# Altium PCB PASS Capstone.PcbDoc (part 6 of 6)
Units mil, origin at the board's own origin, x right, y up, seen from the top; angles counter-clockwise.
Board outline 9510 x 7745.39 mil, 2 copper layers (L1, L2), stack 62.756 mil thick; 838 components, 509 nets, 2130 pads, 378 vias.
Unrouted connection lines stored in the file: 795.
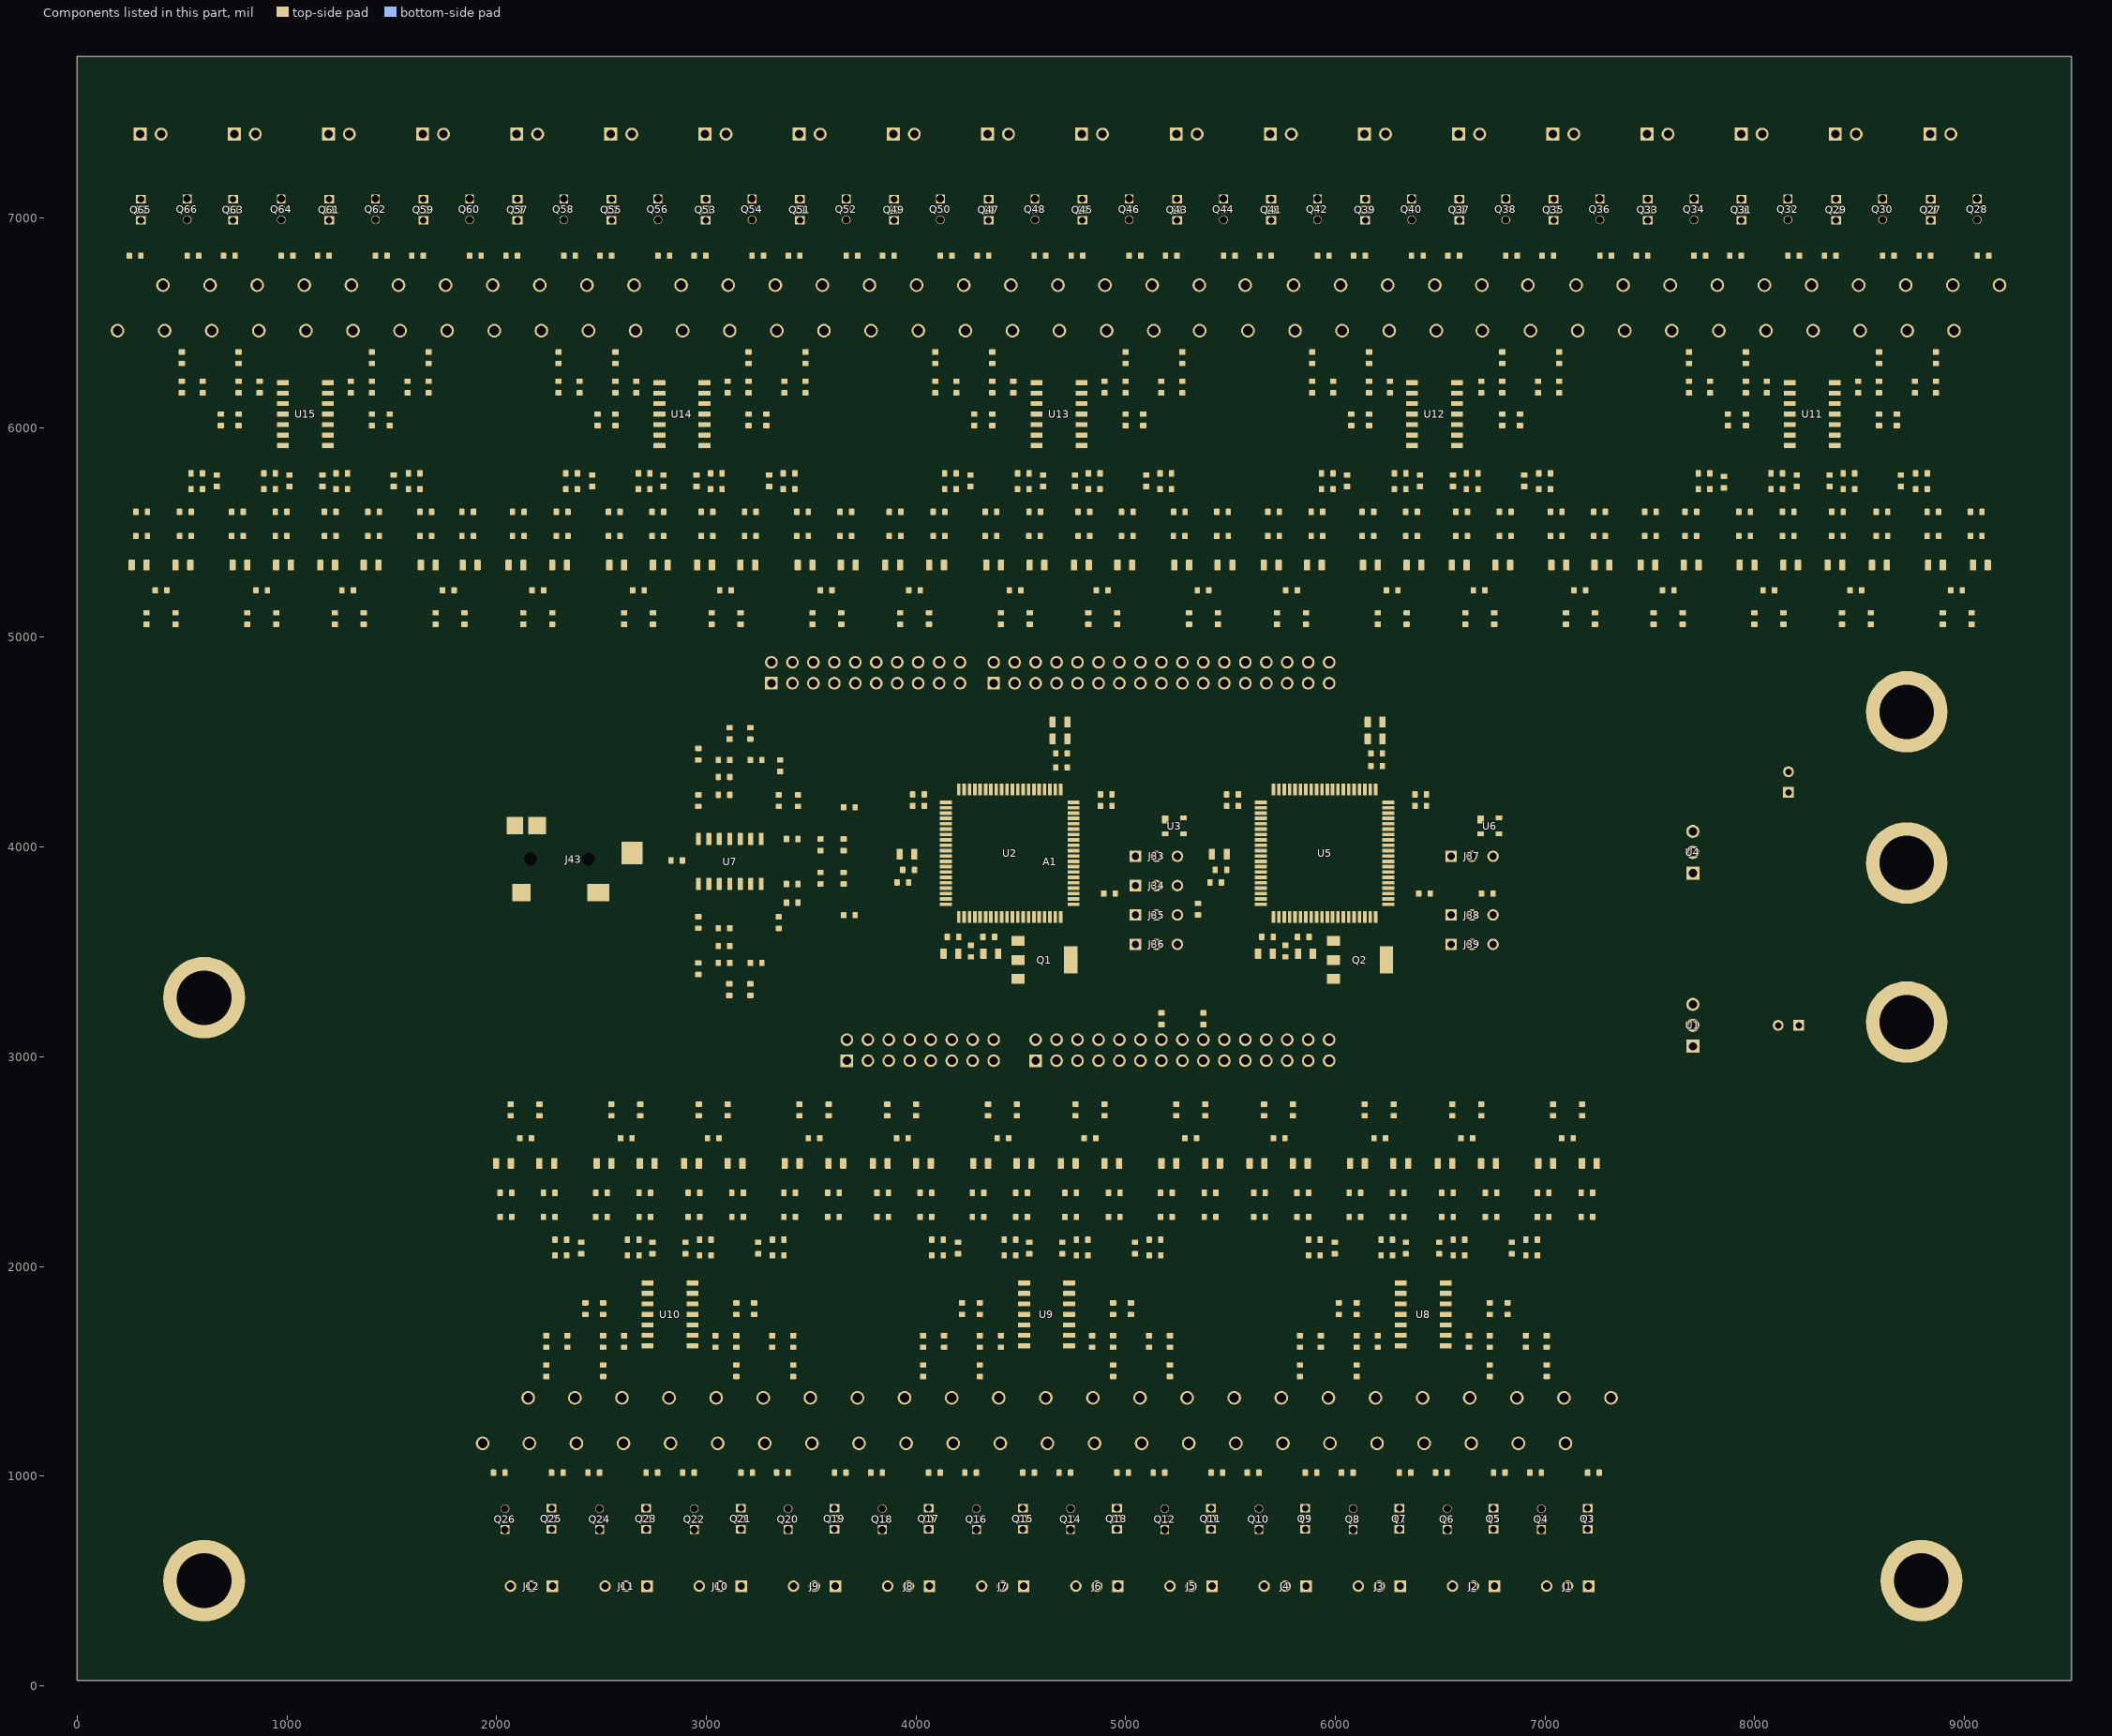
[diagram p6: the components of this part, seen from the top]

## Silkscreen, mask and mechanical layers (free items; w line width, h text height)
Top Overlay:
  circle w7.87: c4571.87,2912.32 r3.94
  circle w7.87: c4371.87,4712.32 r3.94
  circle w7.87: c3311.87,4712.32 r3.94
  circle w7.87: c3272.87,5012.32 r3.94
  circle w7.87: c3671.87,2912.32 r3.94
  lines w5: 2101.01,2553.27 cw(c2101.01,2632.01) 2022.27,2632.01 2022.27,5230.43 cw(c2101.01,5230.43) 2101.01,5309.17 2989.2,5309.17 2989.2,4679.22 ccw(c3007.7,4679.51) 3026.2,4679.19 3026.2,5309.17 7193.13,5309.17 cw(c7193.13,5230.43) 7271.87,5230.43 7273.29,2617.93 cw(c7206.34,2617.93) 7206.34,2550.97 3025.99,2550.97 ; 2101.04,2553.27 2989.22,2553.27 2989.2,3163.22 ; 2989.2,3163.25 cw(c3007.7,3162.93) 3026.2,3163.25 ; 2989.2,4049.22 2989.2,3301.22 ccw(c3007.7,3301.51) 3026.2,3301.19 3026.2,4049.22 ; 2989.2,4049.25 cw(c3007.7,4048.93) 3026.2,4049.25 ; 2989.2,4519.22 2989.2,4231.22 ccw(c3007.7,4231.51) 3026.2,4231.19 3026.2,4519.22 ; 2989.2,4519.25 cw(c3007.7,4518.93) 3026.2,4519.25 ; 3026.2,2553.27 3026.2,3163.22
  text "SA_Mode" at 6842.07,3943.88 h60
  text "SS/ADDR0/SA" at 6842.07,3803.72 h60
  text "MOSI/ADDR1/SA" at 6842.07,3663.72 h60
  text "MISO/SDA/SA" at 6842.07,3523.72 h60
Mechanical 13:
  lines w10: 240,7605 9005,7605 9005,7675.85 240,7675.85 240,7605 ; 2005,170 7245,170 7245,235 2005,235 2005,170
  lines w47.24: 0,0 0,7770 9510,7770 9510,0 0,0 ; 240,7605 9005,7605 9005,7675.85 240,7675.85 240,7605 ; 2005,170 7245,170 7245,235 2005,235 2005,170

## Text inside footprints (layer, text, board x,y; h text height)
C233: Top Overlay "+" at 8345.81,3179.42 h60 r180
C234: Top Overlay "+" at 8190.21,4124.97 h60 r90
U2: Top Overlay "*" at 4073.68,4233.37 h60; Mechanical 13 "*" at 4170.77,4218.37 h60
U5: Top Overlay "*" at 5575.3,4233.37 h60; Mechanical 13 "*" at 5672.38,4218.37 h60